# Altium PCB PCB_Left.PcbDoc (part 2 of 2)
Units mm, origin at the board's own origin, x right, y up, seen from the top; angles counter-clockwise.
Board outline 52.5 x 60 mm, 8 copper layers (Top Side, Inner 1 (HS), Inner 2 (GND), Inner Layer 3, Inner Layer 4, Inner 5 (GND), Inner 6 (HS), Bottom Side), stack 0.912 mm thick; 46 components, 96 nets, 347 pads, 360 vias.
Unrouted connection lines stored in the file: 18.
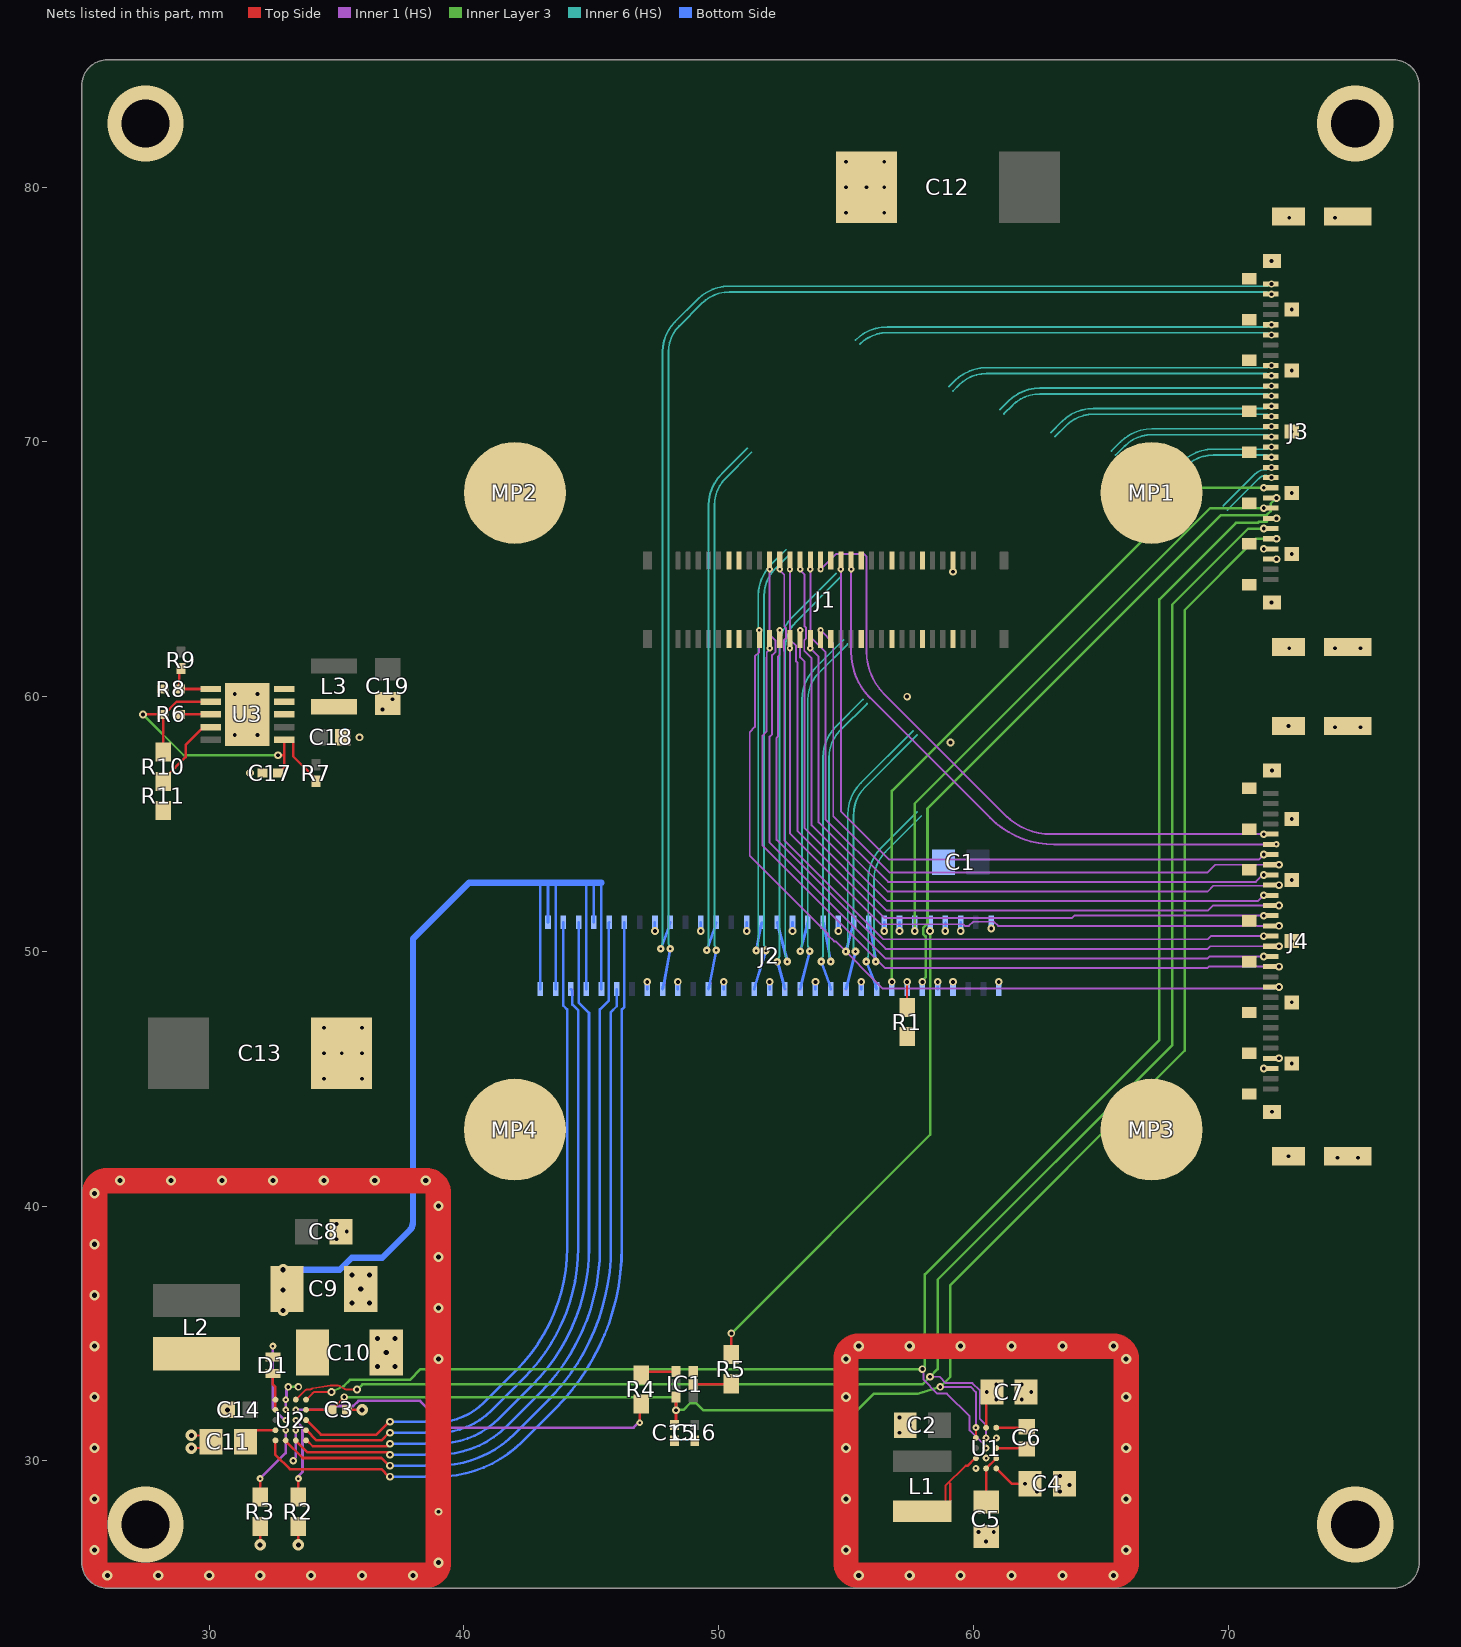
[diagram p8: the nets of this part, all layers, seen from the top]

## Via types
v1: diameter 0.3, hole 0.15, Top Side to Bottom Side, 180 vias
v2: diameter 0.25, hole 0.1, Top Side to Inner 1 (HS), 49 vias
v3: diameter 0.4, hole 0.2, Top Side to Bottom Side, 49 vias
v4: diameter 0.45, hole 0.2, Top Side to Bottom Side, 27 vias
v5: diameter 0.3, hole 0.1, Inner 6 (HS) to Bottom Side, 20 vias
v6: diameter 0.28, hole 0.15, Top Side to Bottom Side, 20 vias
v7: diameter 0.275, hole 0.1, Top Side to Inner 1 (HS), 9 vias
v8: diameter 3, hole 1.9, Top Side to Bottom Side, 4 vias
v9: diameter 0.25, hole 0.15, Top Side to Bottom Side, 2 vias

## Nets (pads, with @x,y where several pads share a name; then routed paths per layer and width w, separated by ;. In a path a pad name is that pad's centre, name@x,y a point inside that pad or via, vN(x,y) a via of type N, cw(c..) or ccw(c..) an arc to the next point about the centre after c; other vN are vias at no path point) (continued)
D0_2_N: J2.44 J3.30 | length 49.8
  Inner 6 (HS) w0.07: v5(47.725,50.1) ccw(c47.619,50.206) 47.769,50.206 47.769,50.248 cw(c47.818,50.248) 47.783,50.283 ccw(c47.749,50.317) 47.797,50.317 47.797,73.533 cw(c49.462,73.533) 48.285,74.71 49.176,75.601 cw(c50.416,74.361) 50.416,76.115 71.495,76.115 ccw(c71.495,76.288) 71.617,76.166 cw(c71.7,76.082) v6(71.7,76.2)
  Bottom Side w0.111: v5(47.725,50.1) 48.045,50.925 J2.44@48.1,51.135
D0_2_P: J2.45 J3.29 | length 50
  Inner 6 (HS) w0.07: v5(48.1,50.1) cw(c48.206,50.206) 48.056,50.206 48.056,50.248 ccw(c48.007,50.248) 48.042,50.283 cw(c48.076,50.317) 48.028,50.317 48.028,73.533 cw(c49.462,73.533) 48.446,74.546 ; 48.446,74.546 49.339,75.439 cw(c50.416,74.361) 50.416,75.885 71.495,75.885 cw(c71.495,75.712) 71.617,75.834 ccw(c71.7,75.918) v6(71.7,75.8)
  Bottom Side w0.111: J2.45@47.8,48.52 47.855,48.735 v5(48.1,50.1)
D0_3_N: J2.32 J3.22 | length 30.2
  Inner 6 (HS) w0.07: v5(51.48,50.033) ccw(c51.374,50.139) 51.524,50.139 51.524,50.181 cw(c51.573,50.181) 51.538,50.215 ccw(c51.504,50.25) 51.552,50.25 51.552,63.951 cw(c53.306,63.951) 52.066,65.191 52.644,65.77 ; 59.037,72.163 59.276,72.401 cw(c60.516,71.161) 60.516,72.915 71.495,72.915 ccw(c71.495,73.088) 71.617,72.966 cw(c71.7,72.882) v6(71.7,73)
  Bottom Side w0.111: v5(51.48,50.033) 51.645,50.925 J2.32@51.7,51.135
D0_3_P: J2.33 J3.21 | length 30.3
  Inner 6 (HS) w0.07: v5(51.855,50.033) cw(c51.961,50.139) 51.811,50.139 51.811,50.181 ccw(c51.762,50.181) 51.797,50.215 cw(c51.831,50.25) 51.782,50.25 51.782,63.951 cw(c53.306,63.951) 52.229,65.029 52.807,65.607 ; 59.2,72 59.439,72.239 cw(c60.516,71.161) 60.516,72.685 71.495,72.685 cw(c71.495,72.512) 71.617,72.634 ccw(c71.7,72.718) v6(71.7,72.6)
  Bottom Side w0.111: J2.33@51.4,48.52 51.455,48.735 v5(51.855,50.033)
D0_C_N: J2.38 J3.26 | length 37.9
  Inner 6 (HS) w0.07: v5(49.532,50.042) ccw(c49.425,50.148) 49.576,50.148 49.576,50.191 cw(c49.624,50.191) 49.59,50.225 ccw(c49.555,50.259) 49.604,50.259 49.604,67.503 cw(c51.358,67.503) 50.118,68.743 51.128,69.754 ; 55.373,73.999 55.376,74.001 cw(c56.616,72.761) 56.616,74.515 71.495,74.515 ccw(c71.495,74.688) 71.617,74.566 cw(c71.7,74.482) v6(71.7,74.6)
  Bottom Side w0.111: v5(49.532,50.042) 49.845,50.925 J2.38@49.9,51.135
D0_C_P: J2.39 J3.25 | length 38
  Inner 6 (HS) w0.07: v5(49.907,50.042) cw(c50.013,50.148) 49.863,50.148 49.863,50.191 ccw(c49.814,50.191) 49.848,50.225 cw(c49.883,50.259) 49.834,50.259 49.834,67.503 cw(c51.358,67.503) 50.28,68.58 51.291,69.591 ; 55.536,73.836 55.539,73.839 cw(c56.616,72.761) 56.616,74.285 71.495,74.285 cw(c71.495,74.112) 71.617,74.234 ccw(c71.7,74.318) v6(71.7,74.2)
  Bottom Side w0.111: J2.39@49.6,48.52 49.655,48.735 v5(49.907,50.042)
D1_0_N: J2.27 J3.17 | length 23
  Inner 6 (HS) w0.07: v5(53.575,50) cw(c53.681,50.106) 53.531,50.106 53.531,50.148 ccw(c53.482,50.148) 53.517,50.183 cw(c53.551,50.217) 53.503,50.217 53.503,59.873 cw(c55.021,59.873) 53.946,60.946 55.061,62.061 ; 63.2,70.2 63.639,70.639 cw(c64.716,69.561) 64.716,71.085 71.495,71.085 cw(c71.495,70.912) 71.617,71.034 ccw(c71.7,71.118) v6(71.7,71)
  Bottom Side w0.111: J2.27@53.2,48.52 53.255,48.735 v5(53.575,50)
D1_0_P: J2.26 J3.18 | length 23
  Inner 6 (HS) w0.07: v5(53.2,50) ccw(c53.094,50.106) 53.244,50.106 53.244,50.148 cw(c53.293,50.148) 53.258,50.183 ccw(c53.224,50.217) 53.272,50.217 53.272,59.873 cw(c55.021,59.873) 53.785,61.11 54.899,62.224 ; 63.037,70.363 63.476,70.801 cw(c64.716,69.561) 64.716,71.315 71.495,71.315 ccw(c71.495,71.488) 71.617,71.366 cw(c71.7,71.282) v6(71.7,71.4)
  Bottom Side w0.111: v5(53.2,50) 53.445,50.925 J2.26@53.5,51.135
D1_1_N: J2.21 J3.13 | length 14.7
  Inner 6 (HS) w0.07: v5@55.3,49.995 55.3,55.369 cw(c56.824,55.369) 55.746,56.446 57.801,58.501 ; v5@55.328,49.951 v5(55.373,49.995) ; 68.217,68.917 68.339,69.039 cw(c69.416,67.961) 69.416,69.485 71.495,69.485 cw(c71.495,69.312) 71.617,69.434 ccw(c71.7,69.518) v6(71.7,69.4)
  Bottom Side w0.111: J2.21@55,48.52 55.055,48.735 v5(55.373,49.995)
D1_1_P: J2.20 J3.14 | length 14.8
  Inner 6 (HS) w0.07: v5(54.997,49.995) v5@55.042,49.951 ; v5@55.07,49.995 55.07,55.369 cw(c56.824,55.369) 55.584,56.609 57.639,58.664 ; 68.054,69.079 68.176,69.201 cw(c69.416,67.961) 69.416,69.715 71.495,69.715 ccw(c71.495,69.888) 71.617,69.766 cw(c71.7,69.682) v6(71.7,69.8)
  Bottom Side w0.111: v5(54.997,49.995) 55.245,50.925 J2.20@55.3,51.135
D1_2_N: J2.18 J3.11 | length 10.4
  Inner 6 (HS) w0.07: v5@56.145,49.737 ccw(c56.215,49.738) 56.147,49.723 v5(56.175,49.6) cw(c56.281,49.706) 56.131,49.706 56.131,49.748 ccw(c56.082,49.748) 56.117,49.783 cw(c56.151,49.817) 56.103,49.817 56.103,51.191 56.1,51.193 56.1,52.824 cw(c57.624,52.824) 56.546,53.901 57.958,55.313 ; 69.972,67.328 71.213,68.568 cw(c71.495,68.287) 71.495,68.685 cw(c71.495,68.512) 71.617,68.634 ccw(c71.7,68.718) v6(71.7,68.6)
  Bottom Side w0.111: J2.18@55.9,51.135 55.955,50.925 v5(56.175,49.6)
D1_2_P: J2.17 J3.12 | length 10.2
  Inner 6 (HS) w0.07: v5(55.8,49.6) ccw(c55.694,49.706) 55.844,49.699 ccw(c55.694,49.706) 55.844,49.706 55.844,49.748 cw(c55.893,49.748) 55.858,49.783 ccw(c55.824,49.817) 55.872,49.817 55.872,51.096 55.87,51.098 55.87,52.824 cw(c57.624,52.824) 56.384,54.064 57.795,55.475 ; 69.81,67.49 71.051,68.731 cw(c71.495,68.287) 71.495,68.915 ccw(c71.495,69.088) 71.617,68.966 cw(c71.7,68.882) v6(71.7,69)
  Bottom Side w0.111: v5(55.8,49.6) 56.145,48.735 J2.17@56.2,48.52
D1_3_N: J2.30 J3.19 | length 28.3
  Inner 6 (HS) w0.07: v5(52.7,49.6) cw(c52.806,49.706) 52.656,49.706 52.656,49.733 ccw(c52.592,49.733) 52.637,49.778 cw(c52.682,49.823) 52.619,49.823 52.619,61.914 cw(c54.079,61.914) 53.046,62.946 54.781,64.681 ; 61.2,71.1 61.539,71.439 cw(c62.616,70.361) 62.616,71.885 71.495,71.885 cw(c71.495,71.712) 71.617,71.834 ccw(c71.7,71.918) v6(71.7,71.8)
  Bottom Side w0.111: J2.30@52.3,51.135 52.355,50.925 v5(52.7,49.6)
D1_3_P: J2.29 J3.20 | length 28.2
  Inner 6 (HS) w0.07: v5(52.307,49.594) ccw(c52.201,49.701) 52.351,49.701 52.351,49.728 cw(c52.415,49.728) 52.37,49.773 ccw(c52.325,49.818) 52.389,49.818 52.389,61.914 cw(c54.079,61.914) 52.884,63.109 54.618,64.844 ; 61.037,71.263 61.376,71.601 cw(c62.616,70.361) 62.616,72.115 71.495,72.115 ccw(c71.495,72.288) 71.617,72.166 cw(c71.7,72.082) v6(71.7,72.2)
  Bottom Side w0.111: v5(52.307,49.594) 52.545,48.735 J2.29@52.6,48.52
D1_C_N: J2.24 J3.15 | length 18.7
  Inner 6 (HS) w0.07: v5(54.4,49.6) cw(c54.506,49.706) 54.356,49.706 54.356,49.748 ccw(c54.307,49.748) 54.342,49.783 cw(c54.376,49.817) 54.328,49.817 54.328,57.596 cw(c55.852,57.596) 54.774,58.674 55.826,59.726 ; 65.586,69.486 65.939,69.839 cw(c67.016,68.761) 67.016,70.285 71.495,70.285 cw(c71.495,70.112) 71.617,70.234 ccw(c71.7,70.318) v6(71.7,70.2)
  Bottom Side w0.111: J2.24@54.1,51.135 54.155,50.925 v5(54.4,49.6)
D1_C_P: J2.23 J3.16 | length 18.6
  Inner 6 (HS) w0.07: v5(54.025,49.6) ccw(c53.919,49.706) 54.069,49.706 54.069,49.748 cw(c54.118,49.748) 54.083,49.783 ccw(c54.049,49.817) 54.097,49.817 54.097,57.596 cw(c55.852,57.596) 54.611,58.837 55.664,59.889 ; 65.423,69.649 65.776,70.001 cw(c67.016,68.761) 67.016,70.515 71.495,70.515 ccw(c71.495,70.688) 71.617,70.566 cw(c71.7,70.482) v6(71.7,70.6)
  Bottom Side w0.111: v5(54.025,49.6) 54.345,48.735 J2.23@54.4,48.52
DIS_EN: C3.2 C15.2 IC1.6 J3.5 U1.A1 U1.B1 U2.B4 | length 69.8
  Top Side w0.075: C3.2@34.79,32 34.8,32 34.815,32 34.989,32.174 ccw(c34.883,32.28) 34.992,32.177 v1(35.3,32.5) ; U1.B1@60.1,30.9 v7(60.1,31.3)
  Top Side w0.1: U2.B4@33.8,32 C3.2@34.8,32 ; C15.2@48.263,31.41 48.326,31.473 v1(48.326,31.987) IC1.6@48.326,32.5
  Inner Layer 3 w0.1: v1(35.3,32.5) 48.3,32.5 48.326,32.474 v1(48.326,31.987) 48.337,31.998 48.622,31.998 48.886,32.262 49.114,32.262 49.389,31.987 55.446,31.987 56.085,32.625 57.717,32.625 ccw(c57.717,33) 57.824,32.64 v1(58.7,32.9) 59.1,33.3 59.1,36.9 68.3,46.1 68.3,63.4 71.1,66.2 v1(71.9,66.2)
  Inner 1 (HS) w0.075: v1(58.7,32.9) 59.9,32.9 60.1,32.7 v7(60.1,31.3)
DIS_SCL: J3.6 U1.B2 U2.A3 | length 68.5
  Top Side w0.075: U2.A3@33.4,32.4 33.756,32.756 cw(c33.862,32.65) 33.862,32.8 33.935,32.8 ; 33.935,32.8 ccw(c33.934,32.95) 34.016,32.825 cw(c34.099,32.699) 34.074,32.847 34.758,32.959 cw(c34.8,32.7) 34.806,32.962 34.945,32.959 ccw(c34.949,33.109) 34.968,32.961 cw(c35,32.7) 35.128,32.929 cw(c35,32.7) 35.129,32.929 35.323,32.819 ccw(c35.396,32.95) 35.396,32.8 v1(35.8,32.8)
  Inner Layer 3 w0.1: v1(35.8,32.8) 35.817,32.8 36.017,33 58,33 v1(58.3,33.3) 58.6,33.6 58.6,37.107 67.8,46.307 67.8,63.607 70.793,66.6 v1(71.4,66.6)
  Inner 1 (HS) w0.075: v1(58.3,33.3) 58.671,33.3 58.921,33.05 59.962,33.05 60.25,32.762 60.25,31.65 60.5,31.4 v7(60.5,30.9)
DIS_SDA: J3.7 U1.C2 U2.A4 | length 69
  Top Side w0.075: U2.A4@33.8,32.4 34.056,32.656 ; 34.056,32.656 cw(c34.162,32.55) 34.162,32.7 v1(34.8,32.7)
  Inner Layer 3 w0.1: v1(34.8,32.7) 35.246,32.915 ccw(c35.159,33.095) 35.301,32.954 35.521,33.175 37.875,33.175 38.3,33.6 v1(58,33.6) 58.1,33.7 58.1,37.314 67.3,46.514 67.3,63.814 70.311,66.825 71.172,66.825 71.222,66.875 71.511,66.875 71.598,66.962 71.862,66.962 v1(71.9,67)
  Inner 1 (HS) w0.075: v1(58,33.6) 58.037,33.563 58.037,33.191 58.591,32.637 58.963,32.637 59.85,31.75 59.85,31.196 60.5,30.546 v7(60.5,30.5)
GND: C1.1 C2.1 C3.1 C4.1 C5.1 C7.1 C8.1 C9.1 C10.1 C11.1 C12.2 C13.2 C14.1 C15.1 C16.1 C17.1 C18.1 C19.1 IC1.3 J1.11 J1.12 J1.13 J1.14 J1.31 J1.32 J1.37 J1.38 J1.43 J1.44 J1.49 J1.50 J1.55 J1.56 J2.6 J2.9 J2.14 J2.16 J2.19 J2.22 J2.25 J2.28 J2.31 J2.34 J2.37 J2.40 J2.43 J2.46 J2.47 J3.3 J3.4 J3.S1 J3.S2 J3.S3 J3.S4 J3.S5 J3.S6 J3.S7 J3.S8 J3.S9 J3.S10 J3.S11 J3.S12 J3.S13 J3.S14 J3.S15 J3.S16 J3.S17 J3.S18 J3.S19 J4.3 J4.4 J4.S1 J4.S2 J4.S3 J4.S4 J4.S5 J4.S6 J4.S7 J4.S8 J4.S9 J4.S10 J4.S11 J4.S12 J4.S13 J4.S14 J4.S15 J4.S16 J4.S17 J4.S18 J4.S19 MP1.1 MP2.1 MP3.1 MP4.1 R1.1 R2.2 R3.2 R8.1 R11.2 U1.B3 U1.D2 U1.E1 U2.A2 U2.B2 U2.D3 U3.4 U3.5 U3.11 | length 108.8
  Top Side w0.075: v4(29.3,30.5) 29.825,30.5 C11.1@30.075,30.75 ; v4(29.3,31) C11.1@29.85,31 ; C11.1@30.1,30.75 C11.1@29.85,31 ; C11.1@30.488,31.213 30.275,31 C11.1@29.85,31 ; C14.1@30.488,31.768 v4(30.72,32) ; C4.1@63.575,29.1 C4.1@63.988,29
  Top Side w0.1: v4(32,26.7) R3.2@32,27.425 ; v4(33.5,26.7) R2.2@33.5,27.425 ; C3.1@35.41,32 v4(36,32)
  Top Side w1: 25.5,26 ccw(c26,26) v3(26,25.5) 38.501,25.5 ccw(c38.501,26) 39.001,26 39.001,40.501 ccw(c38.501,40.501) 38.501,41.001 26,41.001 ccw(c26,40.501) v3(25.5,40.5) 25.5,26 ; 55,26 ccw(c55.5,26) v3(55.5,25.5) 65.501,25.5 ccw(c65.501,26) 66.001,26 66.001,34.001 ccw(c65.501,34.001) 65.501,34.501 v3(55.5,34.5) ccw(c55.5,34.001) v3(55,34) 55,26
  Inner Layer 3 w0.1: v1(33.1,32.9) v1(33.5,32.9)
  Inner 1 (HS) w0.1: v2(33,32) v2(33,32.4) 33.033,32.433 33.033,32.779 33.1,32.846 v1(33.1,32.9) ; v1(33.3,30) 33.3,30.054 33.4,30.154 v2(33.4,31.2)
  Bottom Side w0.1: J2.47@47.2,48.52 v1(47.2,48.8) ; v1(47.5,50.8) J2.46@47.5,51.135 ; J2.43@48.4,48.52 v1(48.4,48.8) ; v1(49.3,50.8) J2.40@49.3,51.135 ; J2.37@50.2,48.52 v1(50.2,48.8) ; v1(51.1,50.8) J2.34@51.1,51.135 ; J2.31@52,48.52 v1(52,48.8) ; v1(52.9,50.8) J2.28@52.9,51.135 ; J2.25@53.8,48.52 v1(53.8,48.8) ; v1(54.7,50.8) J2.22@54.7,51.135 ; J2.19@55.6,48.52 v1(55.6,48.8) ; v1(56.5,50.8) J2.16@56.5,51.135 ; v1(57.1,50.8) J2.14@57.1,51.135 ; J2.9@58.6,48.52 v1(58.6,48.8) ; v1(59.5,50.8) J2.6@59.5,51.135
  other v1: 60.5,26.825 60.2,27.2 60.8,27.2 39,28 63.4,28.8 63.775,29.052 63.4,29.4 57.1,31.1 57.5,31.4 57.1,31.7 61.9,32.4 62.275,32.7 61.9,33 35,38.7 35.4,39 35,39.3 74.3,41.9 75.1,41.9 72.375,41.955 71.725,43.7 34.5,45 36,45 71.4,45.4 72.5,45.6 72,45.8 34.5,46 35.2,46 36,46 34.5,47 36,47 72.5,48 72.5,50.4 72.5,52.8 72.5,55.2 31.6,57 71.725,57.1 59.1,58.2 35.9,58.4 31,58.5 31.9,58.5 74.2,58.8 75.2,58.8 72.375,58.845 31,59.3 31.9,59.3 36.8,59.5 37.2,59.9 57.4,60 31,60.1 31.9,60.1 72.4,61.9 74.2,61.9 75.2,61.9 71.7,63.7 59.2,64.9 71.9,65.4 72.5,65.6 71.4,65.8 72.5,68 72.5,70.4 72.5,72.8 72.5,75.2 71.7,77.1 72.4,78.8 74.2,78.8 55,79 56.5,79 55,80 55.8,80 56.5,80 55,81 56.5,81
  other v3: 28,25.5 30,25.5 32,25.5 34,25.5 36,25.5 38,25.5 57.5,25.5 59.5,25.5 61.5,25.5 63.5,25.5 65.5,25.5 39,26 25.5,26.5 55,26.5 66,26.5 25.5,28.5 55,28.5 66,28.5 25.5,30.5 55,30.5 66,30.5 25.5,32.5 55,32.5 66,32.5 39,34 66,34 25.5,34.5 57.5,34.5 59.5,34.5 61.5,34.5 63.5,34.5 65.5,34.5 39,36 25.5,36.5 39,38 25.5,38.5 39,40 26.5,41 28.5,41 30.5,41 32.5,41 34.5,41 36.5,41 38.5,41
  other v4: 36.6,33.7 37.3,33.7 36.95,34.25 36.6,34.8 37.3,34.8 35.6,36.2 36.3,36.2 35.95,36.75 35.6,37.3 36.3,37.3
  other v7: 60.1,29.7 60.5,30.1 60.9,30.9
  other v8: 27.5,27.5 75,27.5 27.5,82.5 75,82.5
INCK: J1.35 J4.25 | length 23.7
  Top Side w0.1: J4.25@71.675,54.2 v2(71.9,54.2)
  Inner 1 (HS) w0.079: v2(55.2,65) 55.2,61.752 ccw(c57.74,61.752) 55.944,59.956 60.656,55.244 ccw(c63.176,57.764) 63.175,54.2 63.7,54.2 v2(71.9,54.2)
LED1: J2.50 U2.E1 | length 32.6
  Top Side w0.1: U2.E1@32.6,30.8 32.6,30.233 33.163,29.67 36.756,29.67 37.046,29.38 v1(37.1,29.38)
  Bottom Side w0.1: v1(37.1,29.38) 38.978,29.38 ccw(c38.978,34.07) 42.294,30.754 43.576,32.036 ccw(c37.242,38.37) 46.2,38.37 46.2,47.72 46.3,47.82 J2.50@46.3,51.135
LED2: J2.51 U2.E2 | length 28.5
  Top Side w0.1: U2.E2@33,30.8 33,30.783 33.673,30.11 36.763,30.11 37.063,29.81 v1(37.1,29.81)
  Bottom Side w0.1: v1(37.1,29.81) 38.978,29.81 ccw(c38.978,34.07) 41.99,31.058 43.272,32.34 ccw(c37.242,38.37) 45.77,38.37 45.77,47.615 46,47.845 J2.51@46,48.52
LED3: J2.52 U2.E3 | length 29.9
  Top Side w0.1: U2.E3@33.4,30.8 33.4,30.783 33.843,30.34 37,30.34 v1(37.1,30.24)
  Bottom Side w0.1: v1(37.1,30.24) 38.978,30.24 ccw(c38.978,34.07) 41.686,31.362 42.968,32.644 ccw(c37.242,38.37) 45.34,38.37 45.34,47.72 45.69,48.07 45.69,51.125 J2.52@45.7,51.135
LED4: J2.56 U2.E4 | length 28.8
  Top Side w0.1: U2.E4@33.8,30.8 33.835,30.8 34.065,30.57 37,30.57 v1(37.1,30.67)
  Bottom Side w0.1: v1(37.1,30.67) 38.978,30.67 ccw(c38.978,34.07) 41.382,31.666 42.664,32.948 ccw(c37.242,38.37) 44.91,38.37 44.91,47.587 44.5,47.997 J2.56@44.5,51.135
LED5: J2.57 U2.D4 | length 25.6
  Top Side w0.1: U2.D4@33.8,31.2 33.817,31.2 34.217,30.8 36.763,30.8 37.063,31.1 v1(37.1,31.1)
  Bottom Side w0.1: v1(37.1,31.1) 38.978,31.1 ccw(c38.978,34.07) 41.078,31.97 42.36,33.252 ccw(c37.242,38.37) 44.48,38.37 44.48,47.691 44.26,47.911 44.26,48.46 J2.57@44.2,48.52
LED6: J2.58 U2.C4 | length 27.6
  Top Side w0.1: U2.C4@33.8,31.6 33.817,31.6 34.387,31.03 36.563,31.03 37.063,31.53 v1(37.1,31.53)
  Bottom Side w0.1: v1(37.1,31.53) 38.978,31.53 ccw(c38.978,34.07) 40.774,32.274 42.056,33.556 ccw(c37.242,38.37) 44.05,38.37 44.05,47.72 43.9,47.87 J2.58@43.9,51.135
LED+: C9.2 C10.2 D1.1 J2.53 J2.54 J2.55 J2.59 J2.60 J2.61 U2.C2 | length 49.9
  Inner 1 (HS) w0.1: v7(32.5,34.5) 32.5,32.051 32.868,31.682 32.87,31.682 32.953,31.6 v2(33,31.6)
  Bottom Side w0.1: J2.61@43,48.52 43,52.7 ; J2.60@43.3,51.135 43.3,52.7 ; J2.59@43.6,48.52 43.6,52.7 ; J2.55@44.8,48.52 44.8,52.7 ; J2.54@45.1,51.135 45.1,52.7 ; J2.53@45.4,48.52 45.4,52.6
  Bottom Side w0.25: v4(32.9,35.9) v4(32.9,36.7) v4(32.9,37.5) 35.121,37.5 35.591,37.97 36.797,37.97 37.854,39.026 ccw(c37.5,39.38) 38,39.38 38,50.5 40.2,52.7 43,52.7 43.3,52.7 43.6,52.7 44.8,52.7 45.1,52.7 45.4,52.7
LEDPWM: J2.10 R5.2 | length 19.9
  Top Side w0.1: R5.2@50.5,34.175 v1(50.5,35)
  Inner Layer 3 w0.1: v1(50.5,35) 58.3,42.8 v1(58.3,50.8)
NetC5_2: C5.2 U1.D3 U1.E2 | length 1.9
  Top Side w0.1: C5.2@60.5,28.375 U1.E2@60.5,29.7 U1.D3@60.9,30.1
NetC6_1: C6.1 U1.A3 | length 1.2
  Top Side w0.1: U1.A3@60.9,31.3 62.06,31.3 C6.1@62.1,31.34
NetC6_2: C6.2 U1.C3 | length 1.2
  Top Side w0.1: U1.C3@60.9,30.5 62.06,30.5 C6.2@62.1,30.46
NetC11_2: C11.2 U2.D1 | length 1
  Top Side w0.1: C11.2@31.6,31.1 31.7,31.2 U2.D1@32.6,31.2
NetC17_2: C17.2 R6.1 R7.2 R10.1 U3.1 U3.7 | length 14.5
  Top Side w0.1: v1(27.4,59.3) R6.1@28.1,59.3 ; R6.1@28.138,59.263 28.2,59.2 R10.1@28.2,57.825 ; R6.1@28.175,59.3 28.22,59.3 28.72,59.8 U3.7@30.2,59.8 ; v1(32.7,57.7) 32.9,57.7 ; C17.2@32.71,57 32.735,57 32.945,57.21 32.945,58.045 ; U3.1@32.945,58.3 32.945,58.045 ; R7.2@34.2,56.675 34.075,56.8 34.075,56.878 33.299,57.654 33.299,58.223 33.252,58.27 32.993,58.27 32.945,58.223 32.945,58.045
  Inner Layer 3 w0.1: v1(27.4,59.3) 29,57.7 v1(32.7,57.7)
NetD1_2: D1.2 L2.2 U2.A1 U2.B1 | length 1.4
  Top Side w0.1: D1.2@32.5,33.4 32.5,33 32.6,32.9 U2.B1@32.6,32
NetIC1_2: IC1.2 R5.1 | length 1.5
  Top Side w0.1: IC1.2@49,33 50.475,33 R5.1@50.5,33.025
NetL1_2: L1.2 U1.D1 | length 4.5
  Top Side w0.075: L1.2@58.6,28.3 58.788,28.3 58.9,28.413 58.9,29.012 59.694,29.806
  Top Side w0.1: L1.2@58,28.025 58.725,28.025 59.1,28.4 59.1,29.1 ; 59.7,29.8 59.765,29.8 60.065,30.1 U1.D1@60.1,30.1
NetL3_2: L3.2 U3.3
NetR2_1: R2.1 U2.C3 | length 3.2
  Top Side w0.1: R2.1@33.5,28.575 v7(33.5,29.3)
  Inner 1 (HS) w0.1: v2(33.4,31.6) 33.4,31.571 33.663,31.309 33.663,29.563 33.5,29.4 v7(33.5,29.3)
NetR3_1: R3.1 U2.D2 | length 3
  Top Side w0.1: R3.1@32,28.575 v7(32,29.3)
  Inner 1 (HS) w0.1: v7(32,29.3) 33,30.3 v2(33,31.2)
NetR4_1: R4.1 U2.B3 | length 14.9
  Top Side w0.1: v2(46.9,31.5) 46.9,32.162 R4.1@46.963,32.225
  Inner 1 (HS) w0.1: v2(33.4,32) 34.621,32 34.771,32.15 35.655,32.15 35.855,32.35 38.279,32.35 39.329,31.3 46.659,31.3 46.859,31.5 v2(46.9,31.5)
NetR6_2: R6.2 U3.8 | length 1.2
  Top Side w0.1: R6.2@28.825,59.3 U3.8@30.055,59.3
NetR8_2: R8.2 R9.2 U3.6 | length 2.1
  Top Side w0.1: R9.2@29,61.1 28.995,61.1 28.825,60.93 R8.2@28.825,60.3 U3.6@30.055,60.3
NetR10_2: R10.2 R11.1 U3.9 | length 3
  Top Side w0.1: R10.2@28.3,56.7 28.3,56.85 29.075,57.625 29.075,58.097 29.778,58.8 U3.9@30.055,58.8
OMODE: J1.29 J4.26 | length 24.8
  Inner 1 (HS) w0.075: v2(54,65) 54.6,65.6 55.712,65.6 55.8,65.512 55.8,61.79 ccw(c58.19,61.79) 56.5,60.1 61.256,55.344 ccw(c63.052,57.14) 63.052,54.6 v1(71.4,54.6)
PNSLV: J2.13 R1.2 | length 1
  Top Side w0.075: R1.2@57.4,47.8 v1(57.4,48.8)
PWM: IC1.4 R4.2 | length 1.4
  Top Side w0.1: R4.2@46.963,33.375 47.088,33.5 IC1.4@48.326,33.5
RST: J2.15 J3.10 | length 27
  Inner Layer 3 w0.1: v1(56.8,48.8) 56.8,56.3 68.7,68.2 v1(71.4,68.2)
SLAMODE0: J1.20 J4.13 | length 30.1
  Inner 1 (HS) w0.075: v2(52,61.9) 52,61.853 51.888,61.74 51.888,61.535 51.875,61.522 51.875,58.623 51.725,58.473 51.725,54.151 56.526,49.35 69.2,49.35 69.25,49.4 v1(72,49.4)
SLAMODE1: J1.25 J4.20 | length 29.4
  Inner 1 (HS) w0.075: v2(53.2,65) 53.2,64.958 53.375,64.783 53.375,62.761 53.438,62.698 53.438,62.288 53.362,62.212 53.362,61.802 53.65,61.514 53.65,54.948 56.623,51.975 71.175,51.975 v1(71.4,52.2)
SLAMODE2: J1.27 J4.22 | length 28.4
  Inner 1 (HS) w0.075: v2(53.6,65) 53.6,62.342 54.2,61.742 54.2,55.176 56.651,52.725 71.092,52.725 71.367,53 v1(71.4,53)
TE1: J2.12 J3.8 | length 23.5
  Inner Layer 3 w0.1: v1(57.7,50.8) 57.7,55.8 69.3,67.4 v1(71.4,67.4)
TE2: J2.11 J3.9 | length 25.9
  Inner Layer 3 w0.1: v1(58,48.8) 58,48.854 58.125,48.979 58.125,50.586 58.025,50.686 58.025,50.914 58.2,51.089 58.2,55.6 69.725,67.125 71.514,67.125 71.675,67.286 71.675,67.575 v1(71.9,67.8)
TOUT0: J1.19 J4.14 | length 32.2
  Inner 1 (HS) w0.075: v2(52,65) 52,62.429 52.238,62.192 52.238,61.767 52.1,61.629 52.1,58.529 52,58.429 52,54.264 56.539,49.725 69.2,49.725 69.275,49.8 v1(71.4,49.8)
TOUT1: J1.21 J4.16 | length 31.3
  Inner 1 (HS) w0.075: v2(52.4,65) 52.4,64.958 52.575,64.783 52.575,62.761 52.638,62.698 52.638,62.288 52.562,62.212 52.562,61.802 52.575,61.789 52.575,54.354 56.454,50.475 69.2,50.475 69.325,50.6 v1(71.4,50.6)
TOUT2: J1.23 J4.18 | length 30.2
  Inner 1 (HS) w0.075: v2(52.8,65) 52.8,62.236 53.038,61.998 53.038,61.384 53.1,61.322 53.1,54.72 56.508,51.313 63.88,51.313 63.967,51.4 v1(71.4,51.4)
VSN: C7.2 J2.1 J2.2 U1.A2 | length 1.7
  Top Side w0.1: U1.A2@60.5,31.3 60.5,32.475 C7.2@60.725,32.7 60.8,32.625 C7.2@60.8,32.5
  other v1: 60.9,32.4 60.525,32.7 60.9,33 61,48.8 60.7,50.9
VSP: C4.2 J2.7 J2.8 U1.E3 | length 1.9
  Top Side w0.1: U1.E3@60.9,29.7 61.5,29.1 C4.2@62.225,29.1
  Bottom Side w0.075: v1(58.9,50.8) J2.8@58.9,51.135
  other v1: 62.5,28.8 62.025,29.1 62.5,29.4 59.2,48.8
XCE: J1.18 J4.11 | length 32
  Inner 1 (HS) w0.075: v2(51.6,62.6) 51.588,62.588 51.588,61.739 51.425,61.577 51.425,58.809 51.22,58.604 51.22,53.763 54.287,50.696 54.287,50.629 54.529,50.387 54.596,50.387 56.446,48.537 71.8,48.537 71.819,48.557 71.957,48.557 v1(72,48.6)
XCLR: J1.33 J4.24 | length 27
  Inner 1 (HS) w0.075: v2(54.8,65) 54.8,55.5 56.7,53.6 71.2,53.6 v1(71.4,53.8)
XHS: J1.28 J4.21 | length 26.3
  Inner 1 (HS) w0.075: v2(53.6,61.9) 53.925,61.575 53.925,55.062 56.637,52.35 69.2,52.35 69.425,52.575 71.975,52.575 v1(72,52.6)
XMASTER: J1.22 J4.15 | length 29.8
  Inner 1 (HS) w0.075: v2(52.4,62.6) 52.4,61.647 52.325,61.572 52.325,58.436 52.275,58.386 52.275,54.378 56.553,50.1 69.2,50.1 69.3,50.2 v1(72,50.2)
XTRIG1: J1.26 J4.19 | length 27.9
  Inner 1 (HS) w0.075: v2(53.2,62.6) 53.2,61.54 53.375,61.365 53.375,54.834 56.609,51.6 69.2,51.6 69.4,51.8 v1(72,51.8)
XTRIG2: J1.24 J4.17 | length 28.1
  Inner 1 (HS) w0.075: v2(52.8,61.9) 52.8,54.631 56.369,51.063 59.609,51.063 59.671,51 59.829,51 59.991,51.163 60.809,51.163 60.971,51 v1(72,51)
XVS: J1.30 J4.23 | length 26
  Inner 1 (HS) w0.075: v2(54,62.6) 54.5,62.1 54.5,55.3 56.7,53.1 69.2,53.1 69.5,53.4 v1(72,53.4)
pads on no net: IC1.5 J1.7 J1.S1 J1.S2 J1.S3 J1.S4 J2.49 J4.5 J4.6
copper on no net:
  other v1: 74.7,77.7

## Polygon pours and split planes (outlines as drawn)
GND on Top Side "NONET_L01_P019" (solid, remove dead copper, shelved, pour order 19): 25,26 25,84 cw(c26,84) 26,85 76.5,85 cw(c76.5,84) 77.5,84 77.5,26 cw(c76.5,26) 76.5,25 26,25 cw(c26,26)
+1.1 on Top Side "NONET_L01_P018" (solid, shelved, pour order 18): 33.9,60.6 37.6,60.6 37.6,61.6 33.9,61.6
NetL3_2 on Top Side "NONET_L01_P017" (solid, shelved, pour order 17): 33,59.2 35.9,59.2 35.9,60 33.8,60 33.1,59.3
+5 on Top Side "NONET_L01_P008" (solid, shelved, pour order 8): 33.1,58.7 33.8,58 34.7,58 34.7,58.9 33.3,58.9
+5 on Top Side "NONET_L01_P005" (solid, shelved, pour order 5): 27.6,35.6 31.6,35.6 31.6,38.1 34.2,38.1 34.2,38.2 34.2,38.9 34.2,40 27.6,40
+5 on Top Side "NONET_L01_P006" (solid, shelved, pour order 6): 56.8,29.5 59.173,29.5 59.773,30.6 59.313,30.6 59.075,30.837 59.2,30.962 59.2,32 58.1,32 58.1,30.5 56.8,30.5
NetL1_2 on Top Side "NONET_L01_P007" (solid, shelved, pour order 7): 60,29.9 59.2,29.1 59.2,27.6 59.1,27.5 56.8,27.5 56.8,28.5 58.4,28.5 58.4,28.8 59.7,30.1 59.9,30
LED+ on Top Side "NONET_L01_P002" (solid, shelved, pour order 2): 32.1,33.8 34.7,33.8 34.7,35.2 33.8,35.2 33.8,37.7 32.1,37.7
NetD1_2 on Top Side "NONET_L01_P001" (solid, remove dead copper, shelved, pour order 1): 32.8,32.9 32.8,33.6 32.5,33.6 31.2,34.9 27.6,34.9 27.6,32.9
GND on Bottom Side "NONET_L08_P009" (solid, remove dead copper, shelved, pour order 9): 25,26 25,84 cw(c26,84) 26,85 76.5,85 cw(c76.5,84) 77.5,84 77.5,26 cw(c76.5,26) 76.5,25 26,25 cw(c26,26)
+5 on Inner 1 (HS) "NONET_L02_P010" (solid, shelved, pour order 10): 48.6,63 38,63 38,60.5 33.5,60.5 33.5,64.5 49,64.5 49,68 70,68 70,61 76,61 76,84 26,84 26,26 76,26 76,46 48.6,46
+1.1 on Inner 1 (HS) "NONET_L02_P021" (solid, shelved, pour order 21): 38,60.5 33.5,60.5 33.5,64.5 49,64.5 49,66 49.6,66 49.6,61.5 48.6,61.5 48.6,63 38,63
+1.1 on Inner Layer 4 "NONET_L05_P020" (solid, shelved, pour order 20): 33.5,60.5 50,60.5 50,66 33.5,66
+1.8 on Inner Layer 4 "NONET_L05_P015" (solid, shelved, pour order 15): 77,84 77,26 45,26 45,84
VSP on Inner Layer 4 "NONET_L05_P013" (solid, shelved, pour order 13): 59.5,51.7 61.3,51.7 61.3,28.4 62.9,28.4 62.9,52.8 58.6,52.8 58.6,48.2 59.5,48.2
VSN on Inner Layer 4 "NONET_L05_P011" (solid, shelved, pour order 11): 61.3,32.1 61.3,51.7 60.3,51.7 60.3,32.1
GND on Inner 5 (GND) (split plane): 76.596,84.482 76.688,84.454 76.773,84.409 76.848,84.348 76.909,84.273 76.954,84.188 76.982,84.096 76.991,84.012 76.99,84 76.99,26 76.991,25.988 76.982,25.904 76.954,25.812 76.909,25.727 76.848,25.652 76.773,25.591 76.688,25.546 76.596,25.518 76.512,25.509 76.5,25.51 26,25.51 25.988,25.509 25.904,25.518 25.812,25.546 25.727,25.591 25.652,25.652 25.591,25.727 25.546,25.812 25.518,25.904 25.509,25.988 25.51,26 25.51,84 25.509,84.012 25.518,84.096 25.546,84.188 25.591,84.273 25.652,84.348 25.727,84.409 25.812,84.454 25.904,84.482 25.988,84.491 26,84.49 76.5,84.49 76.512,84.491
GND on Inner 2 (GND) (split plane): 76.596,84.482 76.688,84.454 76.773,84.409 76.848,84.348 76.909,84.273 76.954,84.188 76.982,84.096 76.991,84.012 76.99,84 76.99,26 76.991,25.988 76.982,25.904 76.954,25.812 76.909,25.727 76.848,25.652 76.773,25.591 76.688,25.546 76.596,25.518 76.512,25.509 76.5,25.51 26,25.51 25.988,25.509 25.904,25.518 25.812,25.546 25.727,25.591 25.652,25.652 25.591,25.727 25.546,25.812 25.518,25.904 25.509,25.988 25.51,26 25.51,84 25.509,84.012 25.518,84.096 25.546,84.188 25.591,84.273 25.652,84.348 25.727,84.409 25.812,84.454 25.904,84.482 25.988,84.491 26,84.49 76.5,84.49 76.512,84.491

## Silkscreen, mask and mechanical layers (free items; w line width, h text height)
Top Solder:
  lines w1: 25.5,26 ccw(c26,26) 26,25.5 38.501,25.5 ccw(c38.501,26) 39.001,26 39.001,40.501 ccw(c38.501,40.501) 38.501,41.001 26,41.001 ccw(c26,40.501) 25.5,40.501 25.5,26 ; 55,26 ccw(c55.5,26) 55.5,25.5 65.501,25.5 ccw(c65.501,26) 66.001,26 66.001,34.001 ccw(c65.501,34.001) 65.501,34.501 55.5,34.501 ccw(c55.5,34.001) 55,34.001 55,26
Board Shape:
  the board outline again, w0.1
Mechanical 13:
  lines w0.254: 42,43 67,43 67,68 42,68 42,43